# Altium PCB Layout.PcbDoc (part 4 of 4)
Units mil, origin at the board's own origin, x right, y up, seen from the top; angles counter-clockwise.
Board outline 10232.28 x 5133.86 mil, 4 copper layers (Top Layer, Mid 1, Mid 2, Bottom Layer), stack 23.756 mil thick; 494 components, 257 nets, 1544 pads, 835 vias.
Unrouted connection lines stored in the file: 4.
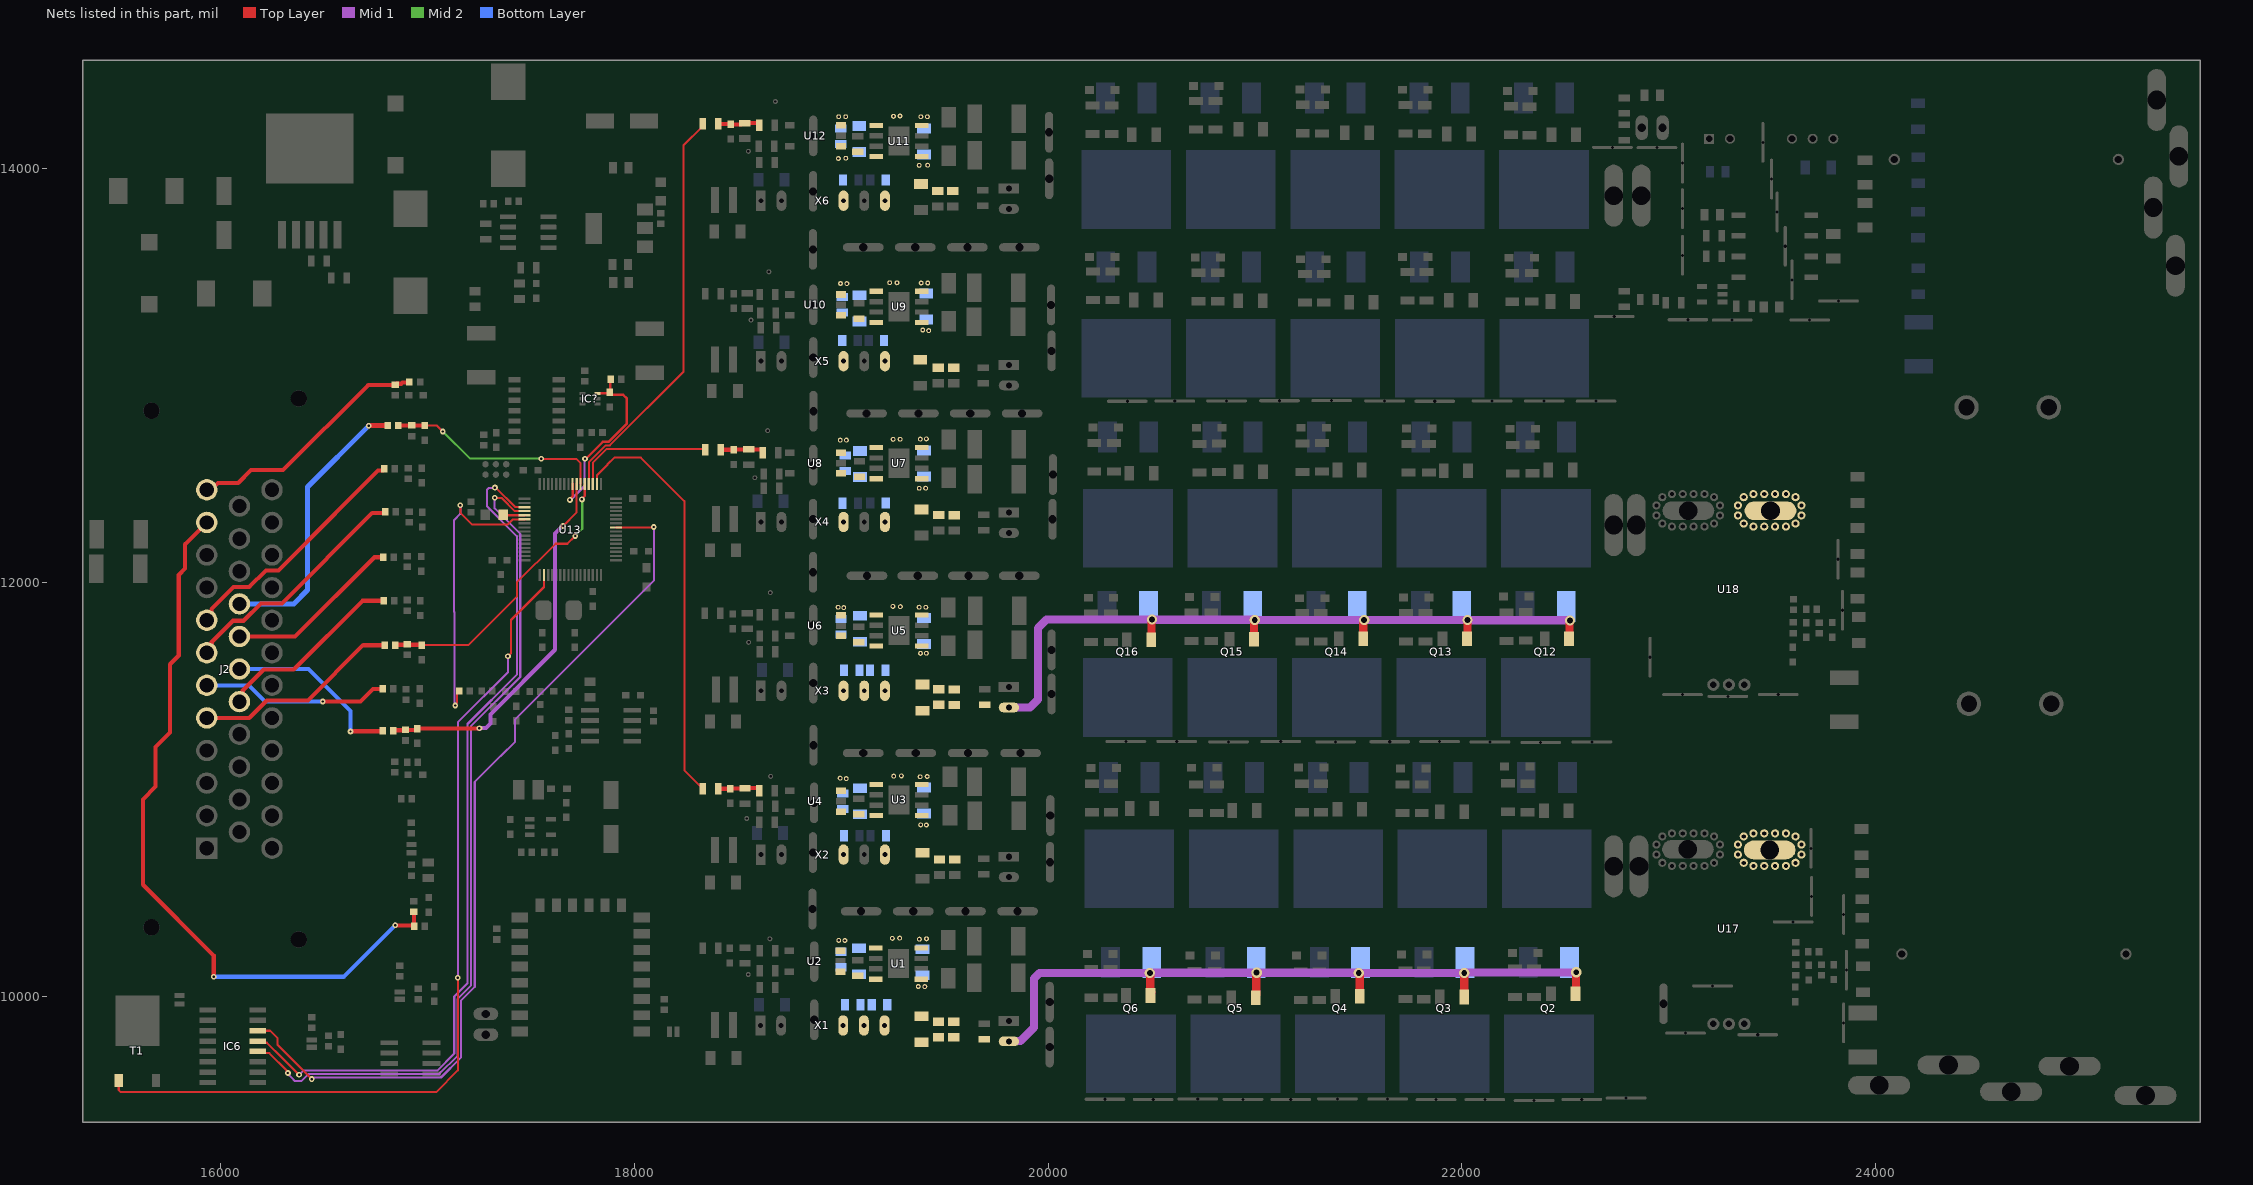
[diagram p6: the nets of this part, all layers, seen from the top]

## Via types
v1: diameter 50, hole 28, Top Layer to Bottom Layer, 605 vias
v2: diameter 27.56, hole 11.81, Top Layer to Bottom Layer, 109 vias
v3: diameter 19.68, hole 7.87, Top Layer to Bottom Layer, 72 vias
v4: diameter 23.62, hole 11.81, Top Layer to Bottom Layer, 33 vias
v5: diameter 35.43, hole 19.68, Top Layer to Bottom Layer, 9 vias
v6: diameter 157.48, hole 157.48, Top Layer to Bottom Layer, 7 vias

## Nets (pads, with @x,y where several pads share a name; then routed paths per layer and width w, separated by ;. In a path a pad name is that pad's centre, name@x,y a point inside that pad or via, vN(x,y) a via of type N, cw(c..) or ccw(c..) an arc to the next point about the centre after c; other vN are vias at no path point) (continued)
PC5/ADC15: IC6.6 U13.25 | length 4272.9
  Top Layer w10: IC6.6@16181.1,9832.87 16240.48,9832.87 16275.11,9798.25 16275.11,9766.4 v2(16442.15,9599.36) ; U13.25@17912.72,12264.98 17913.22,12265.48 18092.64,12265.48 v2(18094.23,12267.07)
  Mid 1 w10: v2(16442.15,9599.36) 16446.9,9599.36 16454.41,9606.87 17066.23,9606.87 17162.23,9702.87 17162.23,9977.63 17229.26,10044.66 17229.26,11035.39 17355.28,11161.42 17356.12,11161.42 17424.63,11229.93 17424.63,11337.73 18094.74,12007.84 18094.74,12266.56 v2(18094.23,12267.07)
PC6: C107.2 R94.2 R99.2 U13.37 | length 1405
  Top Layer w10: C107.2@16971.88,11695.96 17198.57,11695.96 17433,11930.39 17433,11999.23 17619.79,12186.02 17676.93,12186.02 v2(17714.4,12223.49) ; v2(17746.99,12400.2) 17746.99,12403.17 17760.72,12416.9 U13.37@17760.72,12475.98
  Top Layer w20: R94.2@16844.65,11695.96 16846.62,11697.93 16900.27,11697.93 R99.2@16902.24,11699.9 16904.21,11697.93 16969.91,11697.93 C107.2@16971.88,11695.96
  Mid 2 w10: v2(17714.4,12223.49) 17748.77,12257.86 17748.77,12398.41 v2(17746.99,12400.2)
PC7: C106.2 R95.2 R98.2 U13.38 | length 1055.8
  Top Layer w10: C106.2@16987.36,12757.77 17046.02,12757.77 v2(17075.07,12728.72) ; v2@17549.72,12596.45 17720.06,12596.45 17740.72,12575.79 U13.38@17740.72,12475.98
  Top Layer w20: R95.2@16860.01,12757.77 16860.08,12757.85 16924.17,12757.85 R98.2@16924.25,12757.92 16924.32,12757.85 16987.28,12757.85 C106.2@16987.36,12757.77
  Mid 2 w10: v2(17075.07,12728.72) 17206.49,12597.3 v2(17549.86,12597.3)
PC8: C105.2 R96.2 R97.2 U13.39 | length 1817.1
  Top Layer w10: v2(17655.97,12271.85) 17721.72,12337.61 U13.39@17721.72,12475.98
  Top Layer w20: R96.2@16834.99,11282.87 16836.8,11284.69 16892.68,11284.69 R97.2@16894.49,11286.5 16945.11,11286.5 C105.2@16950.85,11292.25 ; C105.2@16950.85,11292.4 C105.2@16950.85,11292.25 ; v2(17251.82,11294.66) 17250.69,11293.53 16953.95,11293.53 16950.85,11290.44 C105.2@16950.85,11292.25
  Mid 1 w20: v2(17251.82,11294.66) 17253.27,11296.1 17283.97,11296.1 17305.2,11317.34 17305.2,11361.69 17617.42,11673.91 17617.42,12234.93 v2@17653.92,12271.43
PC9: C70.1 IC?.6 R47.1 U13.40 | length 922.6
  Top Layer w12: v2(17689.29,12397.88) 17689.29,12402.09 17701.72,12414.52 U13.40@17701.72,12475.98 ; v2(17761.89,12596.95) 17766.05,12596.95 17847.79,12678.69 17875.3,12678.69 17964.14,12767.54 17964.14,12888.62 17946.41,12906.35 17892.12,12906.35 17882.37,12916.1 C70.1@17882.37,12918.07 ; IC?.6@17824.72,12912.24 17826.6,12914.12 17878.43,12914.12 C70.1@17882.37,12918.07 ; R47.1@17883.56,12977.4 17882.97,12976.81 17882.97,12918.66 C70.1@17882.37,12918.07
  Mid 1 w12: v2(17689.29,12397.88) 17691.38,12397.88 17759.55,12466.06 17759.55,12594.61 v2(17761.89,12596.95)
PC10: IC6.5 U13.51 | length 4194.5
  Top Layer w10: IC6.5@16181.1,9782.87 16189.1,9774.87 16224.41,9774.87 16300.33,9698.95 v2@16379.61,9619.67 ; v2(17326.73,12457.58) 17331.3,12457.58 17425.9,12362.98 U13.51@17470.72,12362.98
  Mid 1 w10: v2(16380.05,9619.67) 16400.49,9640.11 17047.59,9640.11 17130.26,9722.78 17130.26,9998.3 17194.19,10062.24 17194.19,11315.18 17432.98,11553.97 17432.98,12222.7 17288.16,12367.52 17288.16,12446.6 17297.95,12456.4 17325.55,12456.4 v2(17326.73,12457.58)
PC11: IC6.4 U13.52 | length 4126.4
  Top Layer w10: IC6.4@16181.1,9732.87 16189.1,9724.87 16236.83,9724.87 16319.4,9642.31 16319.4,9640.46 16326.45,9633.41 v2(16326.45,9628.66) ; v2(17325.37,12408.05) 17326.29,12407.13 17359.15,12407.13 17422.3,12343.98 U13.52@17470.72,12343.98
  Mid 1 w10: v2(16326.45,9628.66) 16326.45,9623.91 16343.95,9606.41 16343.95,9606.19 16360.6,9589.55 16391.46,9589.55 16426.03,9624.12 17058.17,9624.12 17146.24,9712.19 17146.24,9986.71 17210.18,10050.65 17210.18,11303.52 17448.97,11542.31 17448.97,12233.71 17325.37,12357.31 v2(17325.37,12408.05)
PC12: D7.C U13.53 | length 103.7
  Top Layer w10: D7.C@17367.72,12325.59 17369.33,12323.98 U13.53@17470.72,12323.98
PC13: T1.1 U13.2 | length 4298.1
  Top Layer w10: T1.1@15508.67,9592.52 15508.67,9545.47 15517.72,9536.42 17042.44,9536.42 17147.64,9641.62 v2(17147.64,10089.23) ; v2(17389.68,11643.04) 17389.68,11643.1 17404.26,11657.68 17404.26,11817.42 17563.72,11976.89 U13.2@17563.72,12033.98
  Mid 1 w10: v2(17147.64,10089.23) 17147.64,11322.71 17389.68,11564.75 v2(17389.68,11643.04)
PD2/TIM3_ETR: R48.1 U13.54 | length 1425.4
  Top Layer w10: v2(17135.11,11404.45) 17135.11,11409.2 17143.71,11417.79 17143.71,11463.77 R48.1@17154.46,11474.52 ; v2(17159.64,12372.55) 17159.64,12335.18 17214.93,12279.9 17389.94,12279.9 17414.02,12303.98 U13.54@17470.72,12303.98
  Mid 1 w10: 17130.38,11419.08 17130.38,11857.23 17129.93,11857.68 17129.93,12300.98 17159.64,12330.7 v2(17159.64,12372.55)
SIG_BMS: J2.18 R96.1 | length 876.3
  Top Layer w20: v2(16628.61,11278.79) 16630.06,11280.24 16781.17,11280.24 R96.1@16783.81,11282.87
  Bottom Layer w20: J2.18@16091.93,11580.6 16425.32,11580.6 16628.61,11377.3 v2(16628.61,11278.79)
SIG_BRAKE: J2.17 R91.1 | length 921.8
  Top Layer w20: J2.17@16091.93,11423.12 16107.88,11439.07 16107.88,11476.97 16209.65,11578.74 16354.53,11578.74 16686.17,11910.38 R91.1@16789.71,11910.38
SIG_CRUISE: J2.7 R89.1 | length 1160.4
  Top Layer w20: J2.7@15934.45,11659.34 15934.45,11681.89 15958.32,11705.76 15958.32,11710.97 16061.33,11813.98 16112.2,11813.98 16196.12,11897.89 16297.12,11897.89 16733.66,12334.42 16790.72,12334.42 16796.47,12340.17 R89.1@16796.47,12340.33
SIG_EMCYSTOP: J2.20 R95.1 | length 1366
  Top Layer w25: v2(16717.27,12756.42) 16717.76,12756.91 16807.97,12756.91 R95.1@16808.83,12757.77
  Bottom Layer w25: J2.20@16091.93,11895.56 16354.67,11895.56 16421.65,11962.54 16421.65,12460.91 16717.16,12756.42 v2(16717.27,12756.42)
SIG_FORWARD: J2.6 R93.1 | length 908.4
  Top Layer w20: v2(16494.07,11423.9) 16676.82,11423.9 16737.84,11484.93 R93.1@16785.24,11484.93
  Bottom Layer w20: J2.6@15934.45,11501.86 16137.6,11501.86 16215.55,11423.9 v2(16494.07,11423.9)
SIG_MPROT: J2.19 R92.1 | length 854.1
  Top Layer w20: J2.19@16091.93,11738.08 16361.32,11738.08 16744.09,12120.85 R92.1@16787.44,12120.85
SIG_REVERSE: J2.5 R94.1 | length 1004.7
  Top Layer w20: J2.5@15934.45,11344.38 16139.38,11344.38 16224.13,11429.13 16423.28,11429.13 16690.11,11695.96 R94.1@16793.47,11695.96
SIG_START: J2.8 R90.1 | length 1179
  Top Layer w20: J2.8@15934.45,11816.82 15934.45,11839.37 15956.95,11861.88 15956.95,11869.82 16063.42,11976.29 16139.2,11976.29 16220,12057.09 16280.02,12057.09 16556.5,12333.56 16556.5,12335 16762.34,12540.84 16784.99,12540.84 16790.74,12546.59 R90.1@16790.74,12548.34
SourceH: C1.1 C4.2 C8.1 C9.1 C10.2 Con1.2 pad.5@23486.86,10706.3 Q2.2 Q3.2 Q4.2 Q5.2 Q6.2 R5.1 R126.1 R127.1 R128.1 R129.1 R130.1 U17.4 X1.6 | length 3552.6
  Top Layer w39.37: v1(20491.71,10111.87) 20493.27,10110.31 20493.27,10019.03 R130.1@20498.77,10019.03 ; R129.1@21007.51,10007.74 21005.54,10007.74 21005.54,10111.62 v1(21007.51,10113.59) ; v1(21501.6,10111.94) 21501.6,10109.06 21505.67,10104.99 R128.1@21505.67,9999.04 ; v1(22011.32,10111.94) 22011.08,10111.69 22011.08,10011.23 R127.1@22014.76,10011.23 ; R126.1@22548.3,10010.85 22550.27,10012.82 22550.27,10113.19 v1(22552.24,10115.16)
  Mid 1 w39.37: Con1.2@19810.51,9781.43 19812.02,9782.94 19866.71,9782.94 19931.95,9848.18 19931.95,10084.75 19959.08,10111.87 v1(20491.71,10111.87) 20492.57,10112.73 21006.65,10112.73 v1(21007.51,10113.59) 21008.34,10112.77 21500.77,10112.77 v1(21501.6,10111.94) v1(22011.32,10111.94) 22012.93,10113.55 22550.63,10113.55 v1(22552.24,10115.16)
SourceH1: C21.1 C24.2 C28.1 C29.1 C30.2 Con3.2 pad.5@23491.07,12345.58 Q12.2 Q13.2 Q14.2 Q15.2 Q16.2 R19.1 R156.1 R157.1 R158.1 R159.1 R160.1 U18.4 X3.6 | length 3560.8
  Top Layer w39.37: R160.1@20498.03,11722.44 20500,11724.41 20500,11817.94 v1(20501.97,11819.91) ; R159.1@20994.38,11725.39 20994.38,11811.12 20998.32,11815.06 v1(20998.32,11817.94) ; R158.1@21522.98,11726.43 21522.98,11811.12 21526.92,11815.06 v1(21526.92,11817.94) ; R157.1@22024.62,11726.43 22026.58,11728.39 v1(22026.58,11817.94) ; R156.1@22517.72,11726.38 22519.98,11728.64 22519.98,11813.03 v1(22522.01,11815.06)
  Mid 1 w39.37: Con3.2@19810.51,11394.84 19912.28,11394.84 19950.71,11433.27 19950.71,11778.14 19992.48,11819.91 v1(20501.97,11819.91) 20502.95,11818.92 20997.33,11818.92 v1(20998.32,11817.94) v1(21526.92,11817.94) v1(22026.58,11817.94) 22028.01,11816.5 22520.57,11816.5 v1(22522.01,11815.06)
THROTTLE1: J2.12 R114.1 R115.2 | length 1195.2
  Top Layer w20: J2.12@15934.45,12446.74 15954.31,12446.74 15987.84,12480.27 16086.22,12480.27 16147.83,12541.88 16302.71,12541.88 16714.76,12953.93 R115.2@16844.52,12953.93 16850.27,12959.68 16874.13,12959.68 16879.81,12965.36 16911.13,12965.36 R114.1@16913.73,12967.96
THROTTLE2: J2.11 R108.1 R110.2 | length 3611.1
  Top Layer w20: J2.11@15934.45,12289.26 15828.72,12183.54 15828.72,12065.81 15798.83,12035.92 15798.83,11645.83 15756.89,11603.89 15756.89,11274.35 15687.01,11204.47 15687.01,11012.32 15625.38,10950.69 15625.38,10538.25 15967.62,10196.01 v2(15967.62,10093.47) ; v2(16845.62,10343.24) 16847.07,10341.79 16932.13,10341.79 R108.1@16934.95,10338.97 ; R110.2@16933.97,10407.87 16934.95,10406.88 R108.1@16934.95,10338.97 ; R108.1@16935.94,10337.98 R108.1@16934.95,10338.97
  Bottom Layer w20: v2(15967.62,10093.47) 16595.85,10093.47 16845.27,10342.89 v2@16845.27,10345.7
TIM1_CH1N: R64.1 U13.34 | length 2014.4
  Top Layer w10: U13.34@17819.72,12475.98 17819.72,12517.73 17870.83,12568.85 17870.83,12569.97 17903.49,12602.62 18031.63,12602.62 18242.52,12391.73 18242.52,11090.92 R64.1@18331.5,11001.94
TIM1_CH1N-Filtered: C87.2 R8.1 R64.2 R67.2 | length 208.8
  Top Layer w20: R64.2@18406.3,11001.94 18406.81,11002.45 18462.9,11002.45 C87.2@18463.41,11002.95 18464.48,11004.02 18534.03,11004.02 R67.2@18535.1,11005.1 18598.59,11005.1 18604.34,10999.35 R8.1@18604.34,10992.3
TIM1_CH2N: R65.1 U13.35 | length 674.1
  Top Layer w10: U13.35@17799.72,12475.98 17800.22,12476.48 17800.22,12577.66 17866.97,12644.41 18113.03,12644.41 18113.67,12643.77 18340.45,12643.77 R65.1@18343.32,12640.91
TIM1_CH2N-Filtered: C88.2 R22.1 R65.2 R68.2 | length 216.6
  Top Layer w20: R65.2@18418.12,12640.91 18418.66,12640.37 18479.82,12640.37 C88.2@18480.36,12639.83 18481.34,12640.82 18553.19,12640.82 R68.2@18554.18,12641.8 18615.21,12641.8 18620.96,12636.05 R22.1@18620.96,12625.94
TIM1_CH3N: R66.1 U13.36 | length 1980.5
  Top Layer w10: U13.36@17780.72,12475.98 17780.72,12580.76 17861.67,12661.71 17882.33,12661.71 18237.89,13017.27 18237.89,14111.62 18330.9,14204.63 R66.1@18330.9,14216.44
TIM1_CH3N-Filtered: C89.2 R36.1 R66.2 R69.2 | length 210.3
  Top Layer w20: R66.2@18405.7,14216.44 18407.54,14214.6 18463.75,14214.6 C89.2@18465.59,14212.76 18515.48,14212.76 18522.08,14219.36 R69.2@18533.89,14219.36 18597.62,14219.36 18603.37,14213.61 R36.1@18603.37,14207.64
VccH: C1.2 C5.2 C6.2 C7.2 pad.6@18988.09,10269.2 pad.6@19018.01,10268.79 pad.6@19247.2,10279.3 pad.6@19282.37,10280.51 pad.6@19378.13,10275.3 pad.6@19412.32,10276.93 U1.1 U1.8 U2.5 X1.7
VccH1: C21.2 C25.2 C26.2 C27.2 pad.6@18984.93,11879.07 pad.6@19012.55,11877.51 pad.6@19250.16,11883.24 pad.6@19286.12,11882.2 pad.6@19376.27,11879.59 pad.6@19409.1,11879.07 U5.1 U5.8 U6.5 X3.7
VccH2: C41.2 C45.2 C46.2 C47.2 pad.6@18996.61,13443.91 pad.6@19027.7,13443.62 pad.6@19234.4,13447.65 pad.6@19269.58,13447.14 pad.6@19386.37,13446.12 pad.6@19417.99,13446.12 U9.1 U9.8 U10.5 X5.7
VccL: C11.2 C15.2 C16.2 C17.2 pad.6@18994.78,11053.49 pad.6@19024.26,11051.38 pad.6@19253.67,11063.25 pad.6@19291.18,11064.21 pad.6@19381.3,11060.18 pad.6@19415.35,11061.38 U3.1 U3.8 U4.5 X2.7
VccL1: C31.2 C35.2 C36.2 C37.2 pad.6@18995.67,12687.2 pad.6@19025.47,12687.2 pad.6@19250.65,12690.56 pad.6@19284.58,12691.32 pad.6@19382.62,12692.07 pad.6@19411.93,12692.57 U7.1 U7.8 U8.5 X4.7
VccL2: C51.2 C55.2 C56.2 C57.2 pad.6@18987.89,14249.7 pad.6@19021.82,14249.7 pad.6@19252.74,14251.69 pad.6@19284.26,14253.34 pad.6@19385.16,14249.7 pad.6@19416.65,14249.7 U11.1 U11.8 U12.5 X6.7
VeeH: C4.1 C5.1 C6.1 C7.1 C8.2 C9.2 C10.1 pad.6@19372.75,10046.58 pad.6@19404.2,10046.07 R2.1 U1.4 U1.5 U2.3 X1.5
VeeH1: C24.1 C25.1 C26.1 C27.1 C28.2 C29.2 C30.1 pad.6@19383.4,11656.43 pad.6@19411.81,11656.94 R16.1 U5.4 U5.5 U6.3 X3.5
VeeH2: C44.1 C45.1 C46.1 C47.1 C48.2 C49.2 C50.1 pad.6@19394.11,13219.15 pad.6@19422.76,13216.42 R30.1 U9.4 U9.5 U10.3 X5.5
VeeL: C14.1 C15.1 C16.1 C17.1 C18.2 C19.2 C20.1 pad.6@19383.91,10827.4 pad.6@19411.81,10826.9 R10.1 U3.4 U3.5 U4.3 X2.5
VeeL1: C34.1 C35.1 C36.1 C37.1 C38.2 C39.2 C40.1 pad.6@19377.06,12454.17 pad.6@19408,12454.64 R24.1 U7.4 U7.5 U8.3 X4.5
VeeL2: C54.1 C55.1 C56.1 C57.1 C58.2 C59.2 C60.1 pad.6@18986.7,14047.95 pad.6@19022.34,14049.27 pad.6@19376.9,14014.88 pad.6@19417.72,14015.6 R38.1 U11.4 U11.5 U12.3 X6.5
pads on no net: IC3.3 IC3.5 IC3.6 IC5.5 IC?.4@17803.68,13710.65 J1.3 J1.6 J2. J2.9 J2.14 J2.21 J2.25 J2.27 J2.29 J2.31 J2.33 PS.6 U1.3 U1.9 U3.3 U3.9 U5.3 U5.9 U7.3 U7.9 U9.3 U9.9 U11.3 U11.9 U13.3 U13.4 U13.14 U13.28 U13.50 U13.55 U13.56 U16.2 U16.4 U16.5 U16.6 U16.7 U16.9 U16.10 U16.11 U16.12 U16.13 U16.14 U16.16 U16.17 U16.19 U16.20
copper on no net:
  other v3: 19234.25,10092.32 19277.56,10092.32 19320.87,10092.32 19234.25,10135.63 19277.56,10135.63 19320.87,10135.63 19234.25,10178.94 19277.56,10178.94 19320.87,10178.94 19234.25,10222.24 19277.56,10222.24 19320.87,10222.24 19236.22,10882.87 19279.53,10882.87 19322.83,10882.87 19236.22,10926.18 19279.53,10926.18 19322.83,10926.18 19236.22,10969.49 19279.53,10969.49 19322.83,10969.49 19236.22,11012.8 19279.53,11012.8 19322.83,11012.8 19236.22,11701.78 19279.53,11701.78 19322.83,11701.78 19236.22,11745.09 19279.53,11745.09 19322.83,11745.09 19236.22,11788.4 19279.53,11788.4 19322.83,11788.4 19236.22,11831.7 19279.53,11831.7 19322.83,11831.7 19236.22,12510.98 19279.53,12510.98 19322.83,12510.98 19236.22,12554.29 19279.53,12554.29 19322.83,12554.29 19236.22,12597.6 19279.53,12597.6 19322.83,12597.6 19236.22,12640.91 19279.53,12640.91 19322.83,12640.91 19236.22,13265.75 19279.53,13265.75 19322.83,13265.75 19236.22,13309.06 19279.53,13309.06 19322.83,13309.06 19236.22,13352.37 19279.53,13352.37 19322.83,13352.37 19236.22,13395.67 19279.53,13395.67 19322.83,13395.67 19236.23,14067.28 19279.53,14067.28 19322.84,14067.28 19236.23,14110.59 19279.53,14110.59 19322.84,14110.59 19236.23,14153.9 19279.53,14153.9 19322.84,14153.9 19236.23,14197.2 19279.53,14197.2 19322.84,14197.2
  other v6: 17269,9596.44 20056.34,10458.31 20037.73,11261.13 20042.32,12109.54 20044.08,12924.88 16304.22,13052.17 20040.57,13752.12

## Polygon pours and split planes (outlines as drawn)
HV- on Top Layer "HV-_L01_P151" (solid, pour order 151): 24780.51,11212.6 24787.4,11219.49 25123.03,11219.49 25123.03,12903.54 25543.31,13323.82 25543.31,14496.06 25123.03,14496.06 24780.51,14496.06 24780.51,11222.93
HV+ on Top Layer "HV+_L01_P140" (solid, pour order 140): 24048.23,9756.64 24048.23,14004.92 24550.2,14004.92 24550.2,9535.43 20175.04,9535.43 20175.04,9915.32 22807.94,9915.32 22812.99,9910.26 22966.61,9756.64
GND on Top Layer "GND_L01_P150" (solid, remove dead copper, pour order 150): 22730.8,13463.6 23112.61,13463.6 23112.61,14169.61 23045.57,14169.61 22936.76,14169.61 22936.76,14407.48 23315,14407.48 23315,14190.02 23420.05,14084.97 23420.05,13565.14 23559.78,13425.41 23559.78,13300.2 22751.06,13300.2 22730.8,13320.46
NetC104_2 on Top Layer "NETC104_2_L01_P115" (solid, pour order 115): 23582.88,11786.54 23582.88,11888.16 23679.8,11888.16 23679.8,11786.54
PB0/ADC8 on Top Layer "PB0/ADC8_L01_P116" (solid, pour order 116): 23698.29,11887.61 23698.29,11784.44 23702.45,11780.28 23814.98,11780.28 23814.98,11886.42 23813.24,11888.16
GND on Top Layer "GND_L01_P117" (solid, pour order 117): 18 vertices, not listed, extent 23254.92,11471.46 23814.98,11769.66
GND on Top Layer "GND_L01_P118" (solid, pour order 118): 23447.84,10117.43 23260.83,9930.42 23260.83,9833.45 23317.71,9833.45 23317.91,9833.66 23317.91,9909.47 23459.33,10050.88 23570.35,10050.88 23594.3,10026.94 23826.66,10026.94 23822.97,10117.43 23581.64,10117.43
HV+ on Top Layer "HV+_L01_P139" (solid, pour order 139): 22785.63,11622.1 22793.26,11622.1 22993.11,11422.24 24237.2,11422.24 24237.2,11241.26 22785.63,11241.26 20157.78,11241.26 20157.78,11622.84 22785.63,11622.84
HV+ on Top Layer "HV+_L01_P138" (solid, pour order 138): 20155.67,13249.02 24204.72,13249.02 24204.72,12889.76 20155.67,12889.76
H1 on Top Layer "H1_L01_P137" (solid, pour order 137): 20142.81,14082.6 23039.37,14082.6 23039.37,13687.78 22670.28,13687.78 22583.92,13774.14 20142.81,13774.14
+48V on Top Layer "+48V_L01_P126" (solid, pour order 126): 15575.79,12304.13 15576.77,12303.15 15576.77,11995.08 15709.23,11995.08 15709.56,11994.75 15709.56,12304.13
GND on Top Layer "GND_L01_P124" (solid, remove dead copper, pour order 124): 31 vertices, not listed, extent 15334.65,9389.76 18795.28,14369.09
+12V on Top Layer "+12V_L01_P090" (solid, pour order 90): 18417.22,9930.41 18351.39,9930.41 18351.39,9623.03 18413.85,9623.03
+12V on Top Layer "+12V_L01_P088" (solid, pour order 88): 18415.06,11550.13 18344.3,11550.13 18344.3,11247.53 18411.74,11247.53
+12V on Top Layer "+12V_L01_P085" (solid, pour order 85): 18416.86,13925.88 18354.7,13925.88 18354.7,13632.14 18413.64,13632.14
GND on Top Layer "GND_L01_P092" (solid, remove dead copper, pour order 92): 52 vertices, not listed, extent 15481.06,13149.03 18223.43,14517.37
+12V on Top Layer "+12V_L01_P087" (solid, pour order 87): 18415.05,12372.57 18344.3,12372.57 18344.3,12078.62 18411.82,12078.62
PA5/ADC5 on Top Layer "PA5/ADC5_L01_P120" (solid, pour order 120): 23704.54,10239.35 23704.54,10136.18 23708.7,10132.03 23821.24,10132.03 23821.24,10238.17 23819.49,10239.91
NetC101_2 on Top Layer "NETC101_2_L01_P119" (solid, pour order 119): 23594.75,10129.64 23594.75,10231.27 23691.67,10231.27 23691.67,10129.64
GND on Top Layer "GND_L01_P104" (solid, pour order 104): 17017.24,14523.62 17017.24,14246.44 16570.28,14246.44 16565.47,14251.24 16565.47,14523.62
NetL10_1 on Top Layer "NETL10_1_L01_P103" (solid, pour order 103): 17299.49,14097.05 17734.76,14097.05 17734.76,13900.55 17405.1,13900.55 17298.27,13900.55
+3.3V on Top Layer "+3.3V_L01_P102" (solid, pour order 102): 17759.6,13796.6 17760.82,13795.37 17929.68,13795.37 17976.5,13748.55 18155.55,13748.55 18155.55,13683 17949.72,13683 17921.73,13655.01 17921.73,13416.12 17759.6,13416.12
+5V on Top Layer "+5V_L01_P101" (solid, pour order 101): 17905.11,13888.94 18074.05,13888.94 18094.02,13868.97 18094.02,13770.65 18010.42,13770.65 17971.91,13809.16 17766.38,13809.16 17766.38,13847.05 17766.38,14291.36 17299.49,14291.36 17299.49,14501.99 17905.11,14501.99
NetL10_1 on Top Layer "NETL10_1_L01_P099" (solid, pour order 99): 17670.79,13427 17670.79,13649.04 17633.78,13686.05 17501.83,13686.05 17474.03,13658.25 17474.03,13619.78 17523.91,13569.9 17564.69,13569.9 17564.69,13427
+12V on Top Layer "+12V_L01_P098" (solid, pour order 98): 16981.88,14122.02 16977.94,14118.08 16733.11,14118.08 16733.11,13778.15 16829.96,13681.3 17098.94,13681.3 17098.94,13380.93 17256.36,13380.93 17429.17,13553.74 17429.15,13635.65 17338.96,13635.65 17316.09,13658.53 17316.09,13686.05 17225.91,13686.05 17225.91,14122.02
NetC93_1 on Top Layer "NETC93_1_L01_P095" (solid, pour order 95): 15696.38,14030.43 16065.47,14030.43 16065.47,13818.11 15696.38,13818.11
NetC93_1 on Top Layer "NETC93_1_L01_P094" (solid, pour order 94): 16111.73,13552.75 16217.05,13552.75 16256.61,13592.32 16256.61,13749.41 16320.2,13749.41 16320.2,13569.19 16239.78,13488.78 16111.73,13488.78
NetD10_C on Top Layer "NETD10_C_L01_P093" (solid, pour order 93): 17 vertices, not listed, extent 16141.26,13264.37 17037.91,13749.41
NetC91_1 on Top Layer "NETC91_1_L01_P091" (solid, pour order 91): 15428.66,14017.32 15342.52,13931.18 15342.52,11980.32 15419.49,11980.32 15419.49,12282.09 15419.49,13552.75 15542.64,13552.75 15749.41,13552.75 15749.41,13733.98 15706.22,13777.16 15632.48,13777.16 15559.76,13849.88 15559.76,14017.32
+12V on Top Layer "+12V_L01_P089" (solid, pour order 89): 18417.22,10774.13 18352.29,10774.13 18352.29,10478.55 18413.98,10478.55
+12V on Top Layer "+12V_L01_P086" (solid, pour order 86): 18417.72,13149.03 18354.7,13149.03 18354.7,12851.14 18414.46,12851.14
VeeH on Top Layer "VEEH_L01_P069" (solid, pour order 69): 28 vertices, not listed, extent 18967.99,9816.35 19574.3,10137.6
VeeL on Top Layer "VEEL_L01_P068" (solid, pour order 68): 27 vertices, not listed, extent 18972.23,10605.99 19578.55,10910.43
VeeH1 on Top Layer "VEEH1_L01_P067" (solid, pour order 67): 30 vertices, not listed, extent 18969.07,11425.79 19575.39,11760.24
VeeL1 on Top Layer "VEEL1_L01_P066" (solid, pour order 66): 28 vertices, not listed, extent 18969.69,12235.45 19576,12547.96
VeeH2 on Top Layer "VEEH2_L01_P065" (solid, pour order 65): 30 vertices, not listed, extent 18969.69,12983.07 19576,13317.52
VccH on Top Layer "VCCH_L01_P064" (solid, pour order 64): 18970.38,10286.34 19436.49,10286.34 19436.49,10219.39 19429.54,10212.44 19357.87,10212.44 19326.97,10243.35 19217.72,10243.35 19203.04,10228.66 19203.04,10202.77 18982.1,10202.77 18970.45,10214.42
VccL on Top Layer "VCCL_L01_P063" (solid, pour order 63): 17 vertices, not listed, extent 18974.9,10975.62 19441.01,11082.37
VccH1 on Top Layer "VCCH1_L01_P062" (solid, pour order 62): 18971.47,11900.43 19437.58,11900.43 19437.58,11833.48 19430.63,11826.53 19358.96,11826.53 19328.06,11857.44 19218.81,11857.44 19204.13,11842.75 19204.13,11823.08 18976.97,11823.08 18971.54,11828.5
VccL1 on Top Layer "VCCL1_L01_P061" (solid, pour order 61): 18972.08,12707.51 19438.19,12707.51 19438.19,12640.56 19431.24,12633.61 19359.57,12633.61 19328.67,12664.52 19219.42,12664.52 19204.74,12649.83 19204.74,12630.16 18977.58,12630.16 18972.15,12635.59
VccH2 on Top Layer "VCCH2_L01_P060" (solid, pour order 60): 18976.86,13461.51 19442.98,13461.51 19442.98,13387.31 19436.03,13380.36 19364.36,13380.36 19333.46,13411.26 19224.21,13411.26 19209.53,13396.58 19209.53,13376.9 18982.37,13376.9 18976.94,13382.33
GND on Top Layer "GND_L01_P054" (solid, pour order 54): 18462.83,9738.19 18676.64,9738.19 18676.64,9900.43 18748.11,9900.43 18748.1,9665.35 18462.83,9665.35
GND on Top Layer "GND_L01_P053" (solid, pour order 53): 18458.49,10580.7 18680.24,10580.7 18680.24,10741.14 18751.71,10741.14 18751.71,10507.87 18458.49,10507.87
GND on Top Layer "GND_L01_P052" (solid, pour order 52): 18458.49,11383.81 18680.24,11383.81 18680.24,11527.95 18751.71,11527.95 18751.71,11310.96 18458.49,11310.96
GND on Top Layer "GND_L01_P051" (solid, pour order 51): 18455.33,12212.45 18677.07,12212.45 18677.07,12356.59 18748.54,12356.59 18748.54,12139.61 18455.33,12139.61
GND on Top Layer "GND_L01_P050" (solid, pour order 50): 18468.8,12961.45 18676.58,12961.45 18676.58,13118.1 18748.05,13118.1 18748.05,12886.65 18468.8,12886.65
GND on Top Layer "GND_L01_P049" (solid, pour order 49): 18481.1,13746.26 18686.4,13746.26 18686.4,13890.41 18757.87,13890.41 18757.86,13654.31 18481.1,13654.31
HV- on Top Layer "HV-_L01_P019" (solid, pour order 19): 19077.27,13745.91 19094.85,13728.33 19861.69,13728.33 19861.69,13838.64 19339.07,13838.64 19280.34,13779.92 19163.68,13779.92 19142.95,13800.65 19142.95,13896.35 19082.23,13896.35 19077.27,13891.39
NetC3_2 on Top Layer "NETC3_2_L01_P041" (solid, pour order 41): 18446.92,9930.41 18633.48,9930.41 18642.78,9921.11 18642.78,9780.8 18458.44,9780.8 18446.92,9792.33
NetC13_2 on Top Layer "NETC13_2_L01_P040" (solid, pour order 40): 18448.59,10774.13 18635.16,10774.13 18644.46,10764.83 18644.46,10624.53 18460.11,10624.53 18448.59,10636.05
NetC22_2 on Top Layer "NETC22_2_L01_P039" (solid, pour order 39): 18450.52,11548.7 18637.09,11548.7 18646.39,11539.39 18646.39,11399.09 18462.04,11399.09 18450.52,11410.62
NetC33_2 on Top Layer "NETC33_2_L01_P038" (solid, pour order 38): 18457.27,12372.57 18643.84,12372.57 18653.14,12363.27 18653.14,12222.97 18468.8,12222.97 18457.27,12234.49
NetC43_2 on Top Layer "NETC43_2_L01_P037" (solid, pour order 37): 18449.8,13144.39 18636.37,13144.39 18645.67,13135.09 18645.67,12994.79 18461.33,12994.79 18449.8,13006.31
NetC53_2 on Top Layer "NETC53_2_L01_P036" (solid, pour order 36): 18453.13,13918 18639.7,13918 18649,13908.7 18649,13768.4 18464.65,13768.4 18453.13,13779.92
VeeL2 on Top Layer "VEEL2_L01_P026" (solid, pour order 26): 32 vertices, not listed, extent 18972.61,13790.05 19578.93,14124.5
VccL2 on Top Layer "VCCL2_L01_P025" (solid, pour order 25): 18972.54,14266.77 19438.65,14266.77 19438.65,14199.83 19431.7,14192.87 19360.03,14192.87 19329.13,14223.78 19219.88,14223.78 19205.2,14209.09 19205.2,14189.42 18978.04,14189.42 18972.61,14194.85
SourceH on Top Layer "SOURCEH_L01_P024" (solid, pour order 24): 19075.42,9910.43 19075.42,9767.35 19111.15,9731.63 19876.97,9731.63 19876.97,9780.32 19835.06,9822.22 19292.51,9822.22 19259.65,9789.36 19150.71,9789.36 19150.71,9890.63 19130.91,9910.43
HV- on Top Layer "HV-_L01_P023" (solid, pour order 23): 19075.42,10737.2 19075.42,10606.66 19156.53,10525.56 19876.97,10525.56 19876.97,10603.44 19873.59,10606.82 19175.27,10606.82 19144.14,10637.95 19144.14,10737.21
SourceH1 on Top Layer "SOURCEH1_L01_P022" (solid, pour order 22): 19080.71,11519.8 19080.71,11357.15 19092.82,11345.04 19876.97,11345.04 19876.97,11411.61 19858.92,11429.66 19294.23,11429.66 19262.01,11397.44 19150.75,11397.44 19150.75,11524.88 19141.33,11534.29 19080.03,11534.29
HV- on Top Layer "HV-_L01_P021" (solid, pour order 21): 19073.34,12215.59 19115.7,12173.23 19876.97,12173.23 19876.97,12266.67 19871.23,12272.41 19312.57,12272.41 19261.61,12221.46 19138.78,12221.46 19138.78,12342.55 19124.17,12357.17 19073.34,12357.17
C on Top Layer "C_L01_P020" (solid, pour order 20): 19078.82,13118.11 19078.82,12889.76 19841.37,12889.76 19886.79,12935.18 19886.79,12976.84 19176.88,12976.84 19146.66,13007.07 19146.66,13118.37
NetD1_a on Top Layer "NETD1_A_L01_P018" (solid, pour order 18): 19469.57,10345.37 19683.77,10345.37 19683.77,10189.85 19469.57,10189.85
NetD2_a on Top Layer "NETD2_A_L01_P017" (solid, pour order 17): 19475.2,11121.45 19684.88,11121.45 19684.88,10965.94 19475.2,10965.94
NetD3_a on Top Layer "NETD3_A_L01_P016" (solid, pour order 16): 19472.51,11947.6 19686.7,11947.6 19686.7,11792.09 19472.51,11792.09
NetD4_a on Top Layer "NETD4_A_L01_P015" (solid, pour order 15): 19485.24,12750.85 19687.57,12750.85 19687.57,12595.34 19485.24,12595.34
NetD5_a on Top Layer "NETD5_A_L01_P014" (solid, pour order 14): 19478.27,13507.65 19682.42,13507.65 19682.42,13353.35 19478.27,13353.35
NetD6_a on Top Layer "NETD6_A_L01_P013" (solid, pour order 13): 19471.83,14318.27 19686.02,14318.27 19686.02,14162.75 19471.83,14162.75
H1 on Top Layer "H1_L01_P012" (solid, pour order 12): 19901.9,10329.54 19901.9,9881.23 19869.06,9848.39 19648.87,9848.39 19648.87,9894.08 19725.1,9970.3 19809.06,9970.3 19809.06,10329.54
L1 on Top Layer "L1_L01_P011" (solid, pour order 11): 19901.4,11105.62 19901.4,10688.94 19848.14,10635.68 19648.37,10635.68 19648.37,10670.16 19724.6,10746.39 19808.57,10746.39 19808.57,11105.62
H2 on Top Layer "H2_L01_P010" (solid, pour order 10): 19912.94,11936.48 19912.94,11519.8 19859.68,11466.54 19659.92,11466.54 19659.92,11501.02 19736.14,11577.24 19820.11,11577.24 19820.11,11936.48
L2 on Top Layer "L2_L01_P009" (solid, pour order 9): 19899.83,12746.27 19899.83,12329.59 19866.72,12296.48 19664.71,12296.48 19664.71,12353.75 19703.91,12392.95 19807,12392.95 19807,12746.27
H3 on Top Layer "H3_L01_P008" (solid, pour order 8): 19899.83,13491.82 19899.83,13049.24 19872.25,13021.65 19654.87,13021.65 19654.87,13079.17 19693.8,13118.11 19807,13118.11 19807,13491.82
L3 on Top Layer "L3_L01_P007" (solid, pour order 7): 19903.35,14318.27 19903.35,13901.59 19870.23,13868.47 19650.48,13868.47 19650.48,13916.77 19678.95,13945.24 19810.51,13945.24 19810.51,14318.27
NetD1_k on Top Layer "NETD1_K_L01_P006" (solid, pour order 6): 19353.02,10196.55 19353.02,10116.21 19465.62,10116.21 19465.62,10030.81 19566.9,10030.81 19595.93,10001.78 19680.77,10001.78 19680.77,10163.87 19679.68,10164.96 19450.59,10164.96 19450.59,10196.55
NetD2_k on Top Layer "NETD2_K_L01_P005" (solid, pour order 5): 19354.83,10987.05 19354.83,10906.71 19467.42,10906.71 19467.42,10821.31 19568.7,10821.31 19597.74,10792.28 19682.58,10792.28 19682.58,10954.36 19681.48,10955.46 19458.94,10955.46 19458.94,10987.05
NetD3_k on Top Layer "NETD3_K_L01_P004" (solid, pour order 4): 19354.15,11806.68 19354.15,11726.34 19466.74,11726.34 19466.74,11640.94 19568.03,11640.94 19597.06,11611.91 19681.9,11611.91 19681.9,11773.99 19680.8,11775.09 19458.27,11775.09 19458.27,11806.68
NetD4_k on Top Layer "NETD4_K_L01_P003" (solid, pour order 3): 19355.1,12615.57 19355.1,12535.23 19467.7,12535.23 19467.7,12449.83 19568.98,12449.83 19598.01,12420.8 19682.85,12420.8 19682.85,12582.89 19681.76,12583.98 19459.22,12583.98 19459.22,12615.57
NetD5_k on Top Layer "NETD5_K_L01_P002" (solid, pour order 2): 19355.96,13372.97 19355.96,13292.63 19468.55,13292.63 19468.55,13207.23 19569.83,13207.23 19598.87,13178.2 19683.71,13178.2 19683.71,13340.28 19682.61,13341.38 19460.07,13341.38 19460.07,13372.97
NetD6_k on Top Layer "NETD6_K_L01_P000" (solid, pour order 0): 19358.27,14171.84 19358.27,14091.5 19470.87,14091.5 19470.87,14006.09 19572.15,14006.09 19601.18,13977.06 19686.02,13977.06 19686.02,14139.15 19684.93,14140.25 19462.39,14140.25 19462.39,14171.84
HV- on Bottom Layer "HV-_L04_P112" (solid, pour order 112): 30 vertices, not listed, extent 20406.77,11630.91 25231.3,12859.63
HV+ on Bottom Layer "HV+_L04_P122" (solid, pour order 122): 20143.86,11646.18 20148.2,11641.84 22771.71,11641.84 22771.71,11247.56 20143.86,11247.56
SourceH1 on Bottom Layer "SOURCEH1_L04_P110" (solid, pour order 110): 27 vertices, not listed, extent 20360.02,11749.02 23487.9,12459.45
C on Bottom Layer "C_L04_P113" (solid, pour order 113): 26 vertices, not listed, extent 20142.81,13439.92 23006.89,14082.6
+5V on Bottom Layer "+5V_L04_P128" (solid, pour order 128): 18 vertices, not listed, extent 15334.65,9387.92 18270.4,14064.51
+48V on Bottom Layer "+48V_L04_P127" (solid, pour order 127): 15666.73,12302.56 15764.94,12302.56 15879.24,12188.26 15981.77,12188.26 15981.77,12075.29 15975.16,12068.69 15868.35,12068.69 15796.22,11996.55 15666.73,11996.55
HV+ on Bottom Layer "HV+_L04_P123" (solid, pour order 123): 20155.67,13277.49 20177.25,13255.91 22783.52,13255.91 22783.52,12889.76 20155.67,12889.76
HV+ on Bottom Layer "HV+_L04_P121" (solid, pour order 121): 20174.29,9918.71 20178.63,9914.37 22802.14,9914.37 22802.14,9533.46 20174.29,9533.46
HV- on Bottom Layer "HV-_L04_P114" (solid, pour order 114): 23 vertices, not listed, extent 20391.99,14252.35 22730.8,14498.54
HV- on Bottom Layer "HV-_L04_P111" (solid, pour order 111): 25 vertices, not listed, extent 20391.51,10080.71 25280.51,11212.6
B on Bottom Layer "B_L04_P109" (solid, pour order 109): 22888.78,12459.81 23256.89,12459.81 23256.89,12255.91 23062.18,12061.19 20153.16,12061.19 20153.16,12463.69 20157.04,12459.81
SourceH on Bottom Layer "SOURCEH_L04_P108" (solid, pour order 108): 32 vertices, not listed, extent 20400.67,10057.09 23666.34,10812.01
A on Bottom Layer "A_L04_P107" (solid, pour order 107): 20165.33,10815.88 20169.2,10812.01 23260.83,10812.01 23260.83,10576.62 23097.59,10413.39 20165.33,10413.39
GND on Bottom Layer "GND_L04_P105" (solid, pour order 105): 16583.19,14517.37 18254.52,14517.37 18254.52,14313.46 18248.49,14307.43 16583.19,14307.43
GND on Bottom Layer "GND_L04_P034" (solid, pour order 34): 18680.91,13613.96 18142.7,13613.96 18142.7,13222.45 18680.91,13222.45 18680.91,9805.79 18759.83,9806.34 18757.87,9808.29 18757.87,13986.9 18680.91,13986.9
NetL10_1 on Bottom Layer "NETL10_1_L04_P100" (solid, pour order 100): 17383.39,13689.2 17564.69,13507.9 17564.69,13427 17692.25,13427 17734.76,13469.51 17734.76,13856.79 17734.76,14077.78 17385.35,14077.78 17383.39,14075.81
NetC93_1 on Bottom Layer "NETC93_1_L04_P096" (solid, pour order 96): 15745.1,14046.38 16051.08,14046.38 16320.39,13777.07 16320.2,13776.87 16320.2,13485.82 15868.23,13485.82 15745.79,13608.27
VeeH2 on Bottom Layer "VEEH2_L04_P084" (solid, pour order 84): 19371.12,13290.59 19371.66,13291.13 19443.84,13291.13 19443.84,13201.39 19442.67,13200.21 19441.98,13200.9 19371.12,13200.9
VeeH on Bottom Layer "VEEH_L04_P083" (solid, pour order 83): 19356.93,10121.48 19357.46,10122.02 19429.65,10122.02 19429.65,10032.28 19428.47,10031.1 19427.78,10031.79 19356.93,10031.79
VeeL on Bottom Layer "VEEL_L04_P082" (solid, pour order 82): 19367.44,10901.34 19367.98,10901.88 19440.16,10901.88 19440.16,10812.14 19438.98,10810.96 19438.29,10811.65 19367.44,10811.65
VeeH1 on Bottom Layer "VEEH1_L04_P081" (solid, pour order 81): 19365.58,11728.28 19366.12,11728.82 19438.3,11728.82 19438.3,11639.08 19437.13,11637.9 19436.44,11638.59 19365.58,11638.59
VeeL1 on Bottom Layer "VEEL1_L04_P080" (solid, pour order 80): 19363.89,12531.93 19364.43,12532.47 19436.61,12532.47 19436.61,12442.73 19435.43,12441.55 19434.74,12442.24 19363.89,12442.24
VccH on Bottom Layer "VCCH_L04_P079" (solid, pour order 79): 22 vertices, not listed, extent 18966.42,9809.34 19435.81,10296.77
VccL on Bottom Layer "VCCL_L04_P078" (solid, pour order 78): 23 vertices, not listed, extent 18975.77,10601.49 19445.17,11082.77
VeeH on Bottom Layer "VEEH_L04_P077" (solid, pour order 77): 19035.63,10078.35 19035.73,10078.25 19118.8,10078.25 19118.8,10126.47 19111.49,10133.78 19035.63,10133.78 19035.63,10163.24 18965.31,10163.24 18965.31,9816.99 18968.16,9814.13 19035.63,9814.13
VeeL on Bottom Layer "VEEL_L04_P076" (solid, pour order 76): 19039.37,10843.68 19039.47,10843.58 19122.54,10843.58 19122.54,10891.79 19115.23,10899.1 19039.37,10899.1 19039.37,10928.56 18969.05,10928.56 18969.05,10582.31 18971.9,10579.46 19039.37,10579.46
VeeH1 on Bottom Layer "VEEH1_L04_P075" (solid, pour order 75): 19035.22,11687.75 19035.32,11687.65 19118.39,11687.65 19118.39,11735.86 19111.08,11743.17 19035.22,11743.17 19035.22,11772.63 18964.9,11772.63 18964.9,11426.38 18967.75,11423.53 19035.22,11423.53
VccH1 on Bottom Layer "VCCH1_L04_P074" (solid, pour order 74): 23 vertices, not listed, extent 18967.26,11422.57 19436.65,11896.92
VccL1 on Bottom Layer "VCCL1_L04_P073" (solid, pour order 73): 23 vertices, not listed, extent 18972.18,12229.65 19441.57,12707.51
VeeL1 on Bottom Layer "VEEL1_L04_P072" (solid, pour order 72): 19042.64,12475.49 19042.74,12475.39 19125.81,12475.39 19125.81,12523.6 19118.5,12530.91 19042.64,12530.91 19042.64,12560.37 18972.32,12560.37 18972.32,12214.12 18975.17,12211.27 19042.64,12211.27
VeeH2 on Bottom Layer "VEEH2_L04_P071" (solid, pour order 71): 19041.4,13237.21 19041.5,13237.11 19124.56,13237.11 19124.56,13285.32 19117.25,13292.63 19041.4,13292.63 19041.4,13322.09 18971.08,13322.09 18971.08,12975.84 18973.93,12972.99 19041.4,12972.99
VccH2 on Bottom Layer "VCCH2_L04_P070" (solid, pour order 70): 23 vertices, not listed, extent 18976.6,12988.8 19445.99,13463.15
SourceH on Bottom Layer "SOURCEH_L04_P059" (solid, pour order 59): 19064.09,9996.11 19164.69,9996.11 19164.69,9933.88 19140.7,9909.89 19140.7,9809.72 19083.88,9809.72 19083.06,9810.54 19084.15,9811.62 19084.15,9914.06 19063.45,9934.75
HV- on Bottom Layer "HV-_L04_P058" (solid, pour order 58): 19067.69,10810.08 19168.28,10810.08 19168.28,10747.86 19144.29,10723.87 19144.29,10623.7 19087.47,10623.7 19086.66,10624.51 19087.74,10625.59 19087.74,10728.03 19067.05,10748.72
SourceH1 on Bottom Layer "SOURCEH1_L04_P057" (solid, pour order 57): 19064.09,11606.16 19164.69,11606.16 19164.69,11543.94 19140.7,11519.95 19140.7,11419.78 19083.88,11419.78 19083.06,11420.59 19084.15,11421.67 19084.15,11524.11 19063.45,11544.81
HV- on Bottom Layer "HV-_L04_P056" (solid, pour order 56): 19060.5,12418.09 19161.09,12418.09 19161.09,12355.86 19137.1,12331.87 19137.1,12231.7 19080.28,12231.7 19079.47,12232.52 19080.55,12233.6 19080.55,12336.04 19059.86,12356.73
C on Bottom Layer "C_L04_P055" (solid, pour order 55): 19062.39,13203.74 19162.98,13203.74 19162.98,13141.51 19138.99,13117.53 19138.99,13017.36 19082.17,13017.36 19081.36,13018.17 19082.44,13019.25 19082.44,13121.69 19061.75,13142.38
NetC3_2 on Bottom Layer "NETC3_2_L04_P047" (solid, pour order 47): 18638.55,10000.56 18638.55,9807.57 18568.72,9807.57 18568.72,10000.56
NetC13_2 on Bottom Layer "NETC13_2_L04_P046" (solid, pour order 46): 18631.22,10835.25 18631.22,10642.26 18561.39,10642.26 18561.39,10835.25
NetC22_2 on Bottom Layer "NETC22_2_L04_P045" (solid, pour order 45): 18647.33,11615.31 18647.33,11422.32 18577.51,11422.32 18577.51,11615.31
NetC33_2 on Bottom Layer "NETC33_2_L04_P044" (solid, pour order 44): 18632.69,12430.78 18632.69,12237.79 18562.87,12237.79 18562.87,12430.78
NetC43_2 on Bottom Layer "NETC43_2_L04_P043" (solid, pour order 43): 18638.91,13202.53 18638.91,13009.54 18569.09,13009.54 18569.09,13202.53
NetC53_2 on Bottom Layer "NETC53_2_L04_P042" (solid, pour order 42): 18639.7,13986.9 18639.7,13793.91 18569.87,13793.91 18569.87,13986.9
VccL2 on Bottom Layer "VCCL2_L04_P032" (solid, pour order 32): 24 vertices, not listed, extent 18972.54,13792.42 19441.93,14266.77
VeeL2 on Bottom Layer "VEEL2_L04_P028" (solid, pour order 28): 18988.67,14058.03 19038.27,14107.64 19125.08,14107.64 19125.08,14058.03
VeeL2 on Bottom Layer "VEEL2_L04_P030" (solid, pour order 30): 19042.87,14139.15 19042.87,13790.05 18975.4,13790.05 18972.54,13792.9 18972.54,14139.15
VeeL2 on Bottom Layer "VEEL2_L04_P029" (solid, pour order 29): 19362.01,14092.22 19362.55,14092.75 19434.73,14092.75 19434.73,14003.02 19433.56,14001.84 19432.87,14002.53 19362.01,14002.53
HV- on Bottom Layer "HV-_L04_P027" (solid, pour order 27): 19062.18,13978.4 19162.77,13978.4 19162.77,13916.17 19138.78,13892.19 19138.78,13792.02 19081.96,13792.02 19081.15,13792.83 19082.23,13793.91 19082.23,13896.35 19061.54,13917.04
HV+ on Mid 1 "HV+_L02_P142" (solid, pour order 142): 20149.18,11630.97 20150.98,11632.77 22777.03,11632.77 22777.03,11255.67 22773.23,11251.87 20149.18,11251.87
B on Mid 1 "B_L02_P148" (solid, pour order 148): 22888.78,12459.81 23256.89,12459.81 23256.89,12255.91 23062.18,12061.19 20149.52,12061.19 20149.22,12060.89 20140.89,12459.81
A on Mid 1 "A_L02_P149" (solid, pour order 149): 20163.22,10810.42 20163.24,10810.4 23260.83,10810.4 23260.83,10583.89 23090.32,10413.39 20167.48,10413.39 20167.16,10413.7
C on Mid 1 "C_L02_P147" (solid, pour order 147): 20142.81,14082.6 23029.53,14082.6 23029.53,13687.78 22670.28,13687.78 22583.92,13774.14 20142.81,13774.14
HV+ on Mid 1 "HV+_L02_P143" (solid, pour order 143): 20149.89,13253.94 22777.74,13253.94 22777.74,12896.68 22773.94,12892.88 20149.89,12892.88
HV+ on Mid 1 "HV+_L02_P141" (solid, pour order 141): 20174.29,9912.57 20176.09,9914.37 22802.14,9914.37 22802.14,9537.27 22798.34,9533.46 20174.29,9533.46
+3.3V on Mid 1 "+3.3V_L02_P129" (solid, pour order 129): 17697.56,13363.94 17410.08,13076.47 17364.52,13075.35 15745.67,13075.35 15745.67,11922.24 15334.65,11922.24 15334.65,9389.76 18306.76,9389.76 18306.76,13042.78 18284.45,13042.78 17957.8,13369.42 17957.8,13629.67 17697.56,13629.67
+12V on Mid 1 "+12V_L02_P048" (solid, pour order 48): 18322.83,14250.49 17110.35,14250.49 16988.53,14128.67 16988.53,13867.62 17254.77,13867.62 17254.77,14083.17 18281.73,14083.17 18352.63,14012.27 18352.63,9676.18 18416.83,9676.18 18416.83,14250.49
HV+ on Mid 2 "HV+_L03_P145" (solid, pour order 145): 20156.08,11632.94 20156.82,11632.19 22785.63,11632.19 22785.63,11251.35 20156.08,11251.35 20156.08,11349.95 20152.49,11353.54
HV+ on Mid 2 "HV+_L03_P146" (solid, pour order 146): 20172.67,9917.02 20173.41,9916.28 22800.52,9916.28 22800.52,9535.44 20172.67,9535.44 20172.67,9634.04 20169.08,9637.62
HV+ on Mid 2 "HV+_L03_P144" (solid, pour order 144): 20155.67,13271.35 20173.08,13253.94 22783.52,13253.94 22783.52,12889.76 20155.67,12889.76 20155.67,12988.37 20152.08,12991.95
A on Mid 2 "A_L03_P134" (solid, pour order 134): 22687.01,10810.4 23260.83,10810.4 23260.83,10581.57 23092.64,10413.39 20165.33,10413.39 20165.33,10810.4
B on Mid 2 "B_L03_P135" (solid, pour order 135): 22888.78,12457.91 23256.89,12457.91 23256.89,12255.91 23061.88,12060.89 20149.22,12060.89 20149.22,12457.91
C on Mid 2 "C_L03_P133" (solid, pour order 133): 19 vertices, not listed, extent 20142.81,13439.92 23049.21,14082.6
SourceH1 on Mid 2 "SOURCEH1_L03_P132" (solid, pour order 132): 20380.38,11900.16 20380.38,12031.03 23094.74,12031.03 23304.73,12241.02 23304.73,12458.82 23615.16,12458.82 23615.16,12072.36 23323.08,11780.28 20380.38,11780.28
SourceH on Mid 2 "SOURCEH_L03_P130" (solid, pour order 130): 20400.67,10253.36 20400.67,10384.22 23122.35,10384.22 23287.4,10549.28 23287.4,10812.01 23666.34,10812.01 23666.34,10545.48 23194.7,10073.83 20400.67,10073.83
GND on Mid 2 "GND_L03_P106" (solid, pour order 106): 16112.2,12302.93 16111,12304.13 16025.59,12304.13 16025.59,12849.13 15725.22,13149.5 15481.06,13149.5 15481.06,13278.94 16017.93,13278.94 16147.83,13149.03 16147.83,12302.93

## Other copper
Top Layer:
  region net HV+: 24213.58,12889.76 24210.63,12886.81 24210.63,12646.65 23026.63,12646.65 22783.52,12889.76 20155.67,12889.76 20156.5,13270.67 20178.15,13249.02 24213.58,13249.02
  region net HV+: 24237.2,11023.62 24222.44,11008.86 22986.22,11008.86 22758.86,11241.26 20157.78,11241.26 20157.78,11622.84 20158.52,11622.1 22785.63,11622.1 22985.49,11422.24 24237.2,11422.24
  region net HV+: 23514.84,9537.27 23644.63,9407.48 25535.43,9407.48 25535.43,9941.93 24695.87,9941.93 24555.12,10082.68 24555.12,10089.88 24555.12,14090.55 24048.23,14090.55 24048.23,9756.64 22966.61,9756.64 22812.99,9910.26 22808.88,9914.37 20174.26,9914.37 20172.66,9915.97 20174.22,9537.27
  region net A: 20163.22,10810.42 22684.27,10810.42 22685.88,10812.02 23260.83,10812.02 23260.83,10583.66 23090.87,10413.7 22969.05,10413.7 20167.16,10413.7
  region net B: 22888.78,12457.91 23258.86,12457.91 23258.86,12257.87 23062.18,12061.19 20153.16,12061.19 20149.22,12457.91
  region net C: 20142.72,14082.68 23029.53,14082.68 23029.53,13687.78 22670.28,13687.78 22583.92,13774.14 20142.81,13774.14
  pour cut-out: 16025.59,12424.21 16165.59,12424.21 16165.86,12424.48 16165.86,12300.98 16028.74,12300.98 16025.59,12304.13 16025.59,12424.48
Bottom Layer:
  region net HV+: 20143.86,11640.04 22769.91,11640.04 22771.71,11641.84 22771.71,11247.56 20143.86,11247.56
  region net HV-: 23865.16,10888.35 24685.59,10067.91 24813.98,10067.91 24813.98,10769.25 24933.07,10888.35 24933.07,11212.6 20391.51,11212.6 20391.51,10970.47 20608.47,10970.47 20608.47,11146.65 20922.04,11146.65 20922.04,10970.47 21113.87,10970.47 21113.87,11146.65 21424.25,11146.65 21424.25,10970.47 21618.82,10970.47 21618.82,11146.65 21915.1,11146.65 21915.1,10980.57 21925.2,10970.47 22122.78,10970.47 22122.78,11146.65 22441.63,11146.65 22441.63,10888.35
  region net HV-: 24178.75,12859.63 24452.76,12585.63 24858.27,12585.63 24858.27,11475.41 23805.14,12528.54 22456.89,12528.54 22456.89,12791.84 22138.04,12791.84 22138.04,12613.44 21940.46,12613.44 21940.46,12781.74 21930.36,12791.84 21634.08,12791.84 21634.08,12613.44 21439.51,12613.44 21439.51,12791.84 21129.13,12791.84 21129.13,12613.44 20937.3,12613.44 20937.3,12791.84 20623.73,12791.84 20623.73,12613.44 20406.77,12613.44 20406.77,12859.63
  region net HV-: 25535.43,14498.54 25535.43,10070.87 25259.84,10070.87 24780.51,10070.87 24780.51,14262.45 22442.11,14262.45 22442.11,14437.42 22123.26,14437.42 22123.26,14252.35 21925.69,14252.35 21915.59,14262.45 21915.59,14437.42 21619.3,14437.42 21619.3,14252.35 21424.74,14252.35 21424.74,14437.42 21114.36,14437.42 21114.36,14252.35 20922.53,14252.35 20922.53,14437.42 20608.96,14437.42 20608.96,14252.35 20391.99,14252.35 20391.99,14498.54
  region net HV+: 20155.6,13264.83 22777.74,13264.83 22777.74,12896.68 20163.64,12896.68 20152.08,12908.24
  region net HV+: 20174.29,9918.71 20178.43,9914.57 22802.9,9914.57 22802.9,9533.46 20174.29,9533.46
  region net B: 22888.78,12459.81 23256.89,12459.81 23256.89,12251.86 23066.23,12061.19 20153.16,12061.19 20153.16,12458.21 20154.77,12459.81
  region net A: 20169.2,10812.01 23260.83,10812.01 23260.83,10580.52 23094.01,10413.7 22971.14,10413.7 20167.16,10413.7
  region net C: 20161.52,14082.6 23018.7,14082.6 23018.7,13450.02 22452.52,13450.02 22452.52,13604.26 22423.91,13632.87 22133.67,13632.87 22133.67,13439.92 21936.1,13439.92 21936.1,13604.57 21907.8,13632.87 21629.71,13632.87 21629.71,13439.92 21435.15,13439.92 21435.15,13632.87 21124.77,13632.87 21124.77,13439.92 20932.94,13439.92 20932.94,13641.37 20619.01,13641.37 20619.01,13440.58 20618.35,13439.92 20402.4,13439.92 20402.4,13641.37 20347.19,13696.58 20142.81,13696.58
  region net SourceH1: 23295.83,11749.02 22410.14,11749.02 22403.94,11755.22 22403.94,11974.52 22120.04,11974.52 22120.04,11754.92 21883.62,11754.92 21883.62,11974.52 21620.43,11974.52 21620.43,11749.02 21392.77,11749.02 21392.77,11974.52 21115.48,11974.52 21115.48,11749.02 20890.56,11749.02 20889.1,11750.47 20889.1,11974.52 20576.99,11974.52 20576.99,11749.02 20360.02,11749.02 20360.02,12031.67 23095.38,12031.67 23304.73,12241.02 23304.73,12458.82 23669.29,12458.82 23669.29,12122.48
  region net SourceH: 23126.55,10384.22 23287.4,10545.07 23287.4,10812.01 23666.34,10812.01 23666.34,10537.4 23202.77,10073.83 22468.84,10073.83 22459.65,10083.03 22450.79,10091.88 22450.79,10268 22131.94,10268 22131.94,10064.38 21938.43,10064.38 21937.06,10063.01 21924.26,10075.8 21924.26,10268 21627.98,10268 21627.98,10057.09 21446.62,10057.09 21433.42,10070.29 21433.42,10268 21123.03,10268 21123.03,10057.09 20957.84,10057.09 20931.2,10083.72 20931.2,10252.89 20930.74,10253.36 20617.63,10253.36 20617.63,10064.38 20400.67,10064.38 20400.67,10384.22 20400.67,10064.38 20400.67,10384.22

## Silkscreen, mask and mechanical layers (free items; w line width, h text height)
Top Overlay:
  drawing of 13 lines, arcs and shapes, not listed
Mechanical 1:
  the board outline again, w10

## Text inside footprints (layer, text, board x,y; h text height)
Designator3: Top Overlay "openinverter.org" at 15387.8,14076.77 h20.4